# KiCad board Part 10-AMLDC-2044B.kicad_pcb (continued)
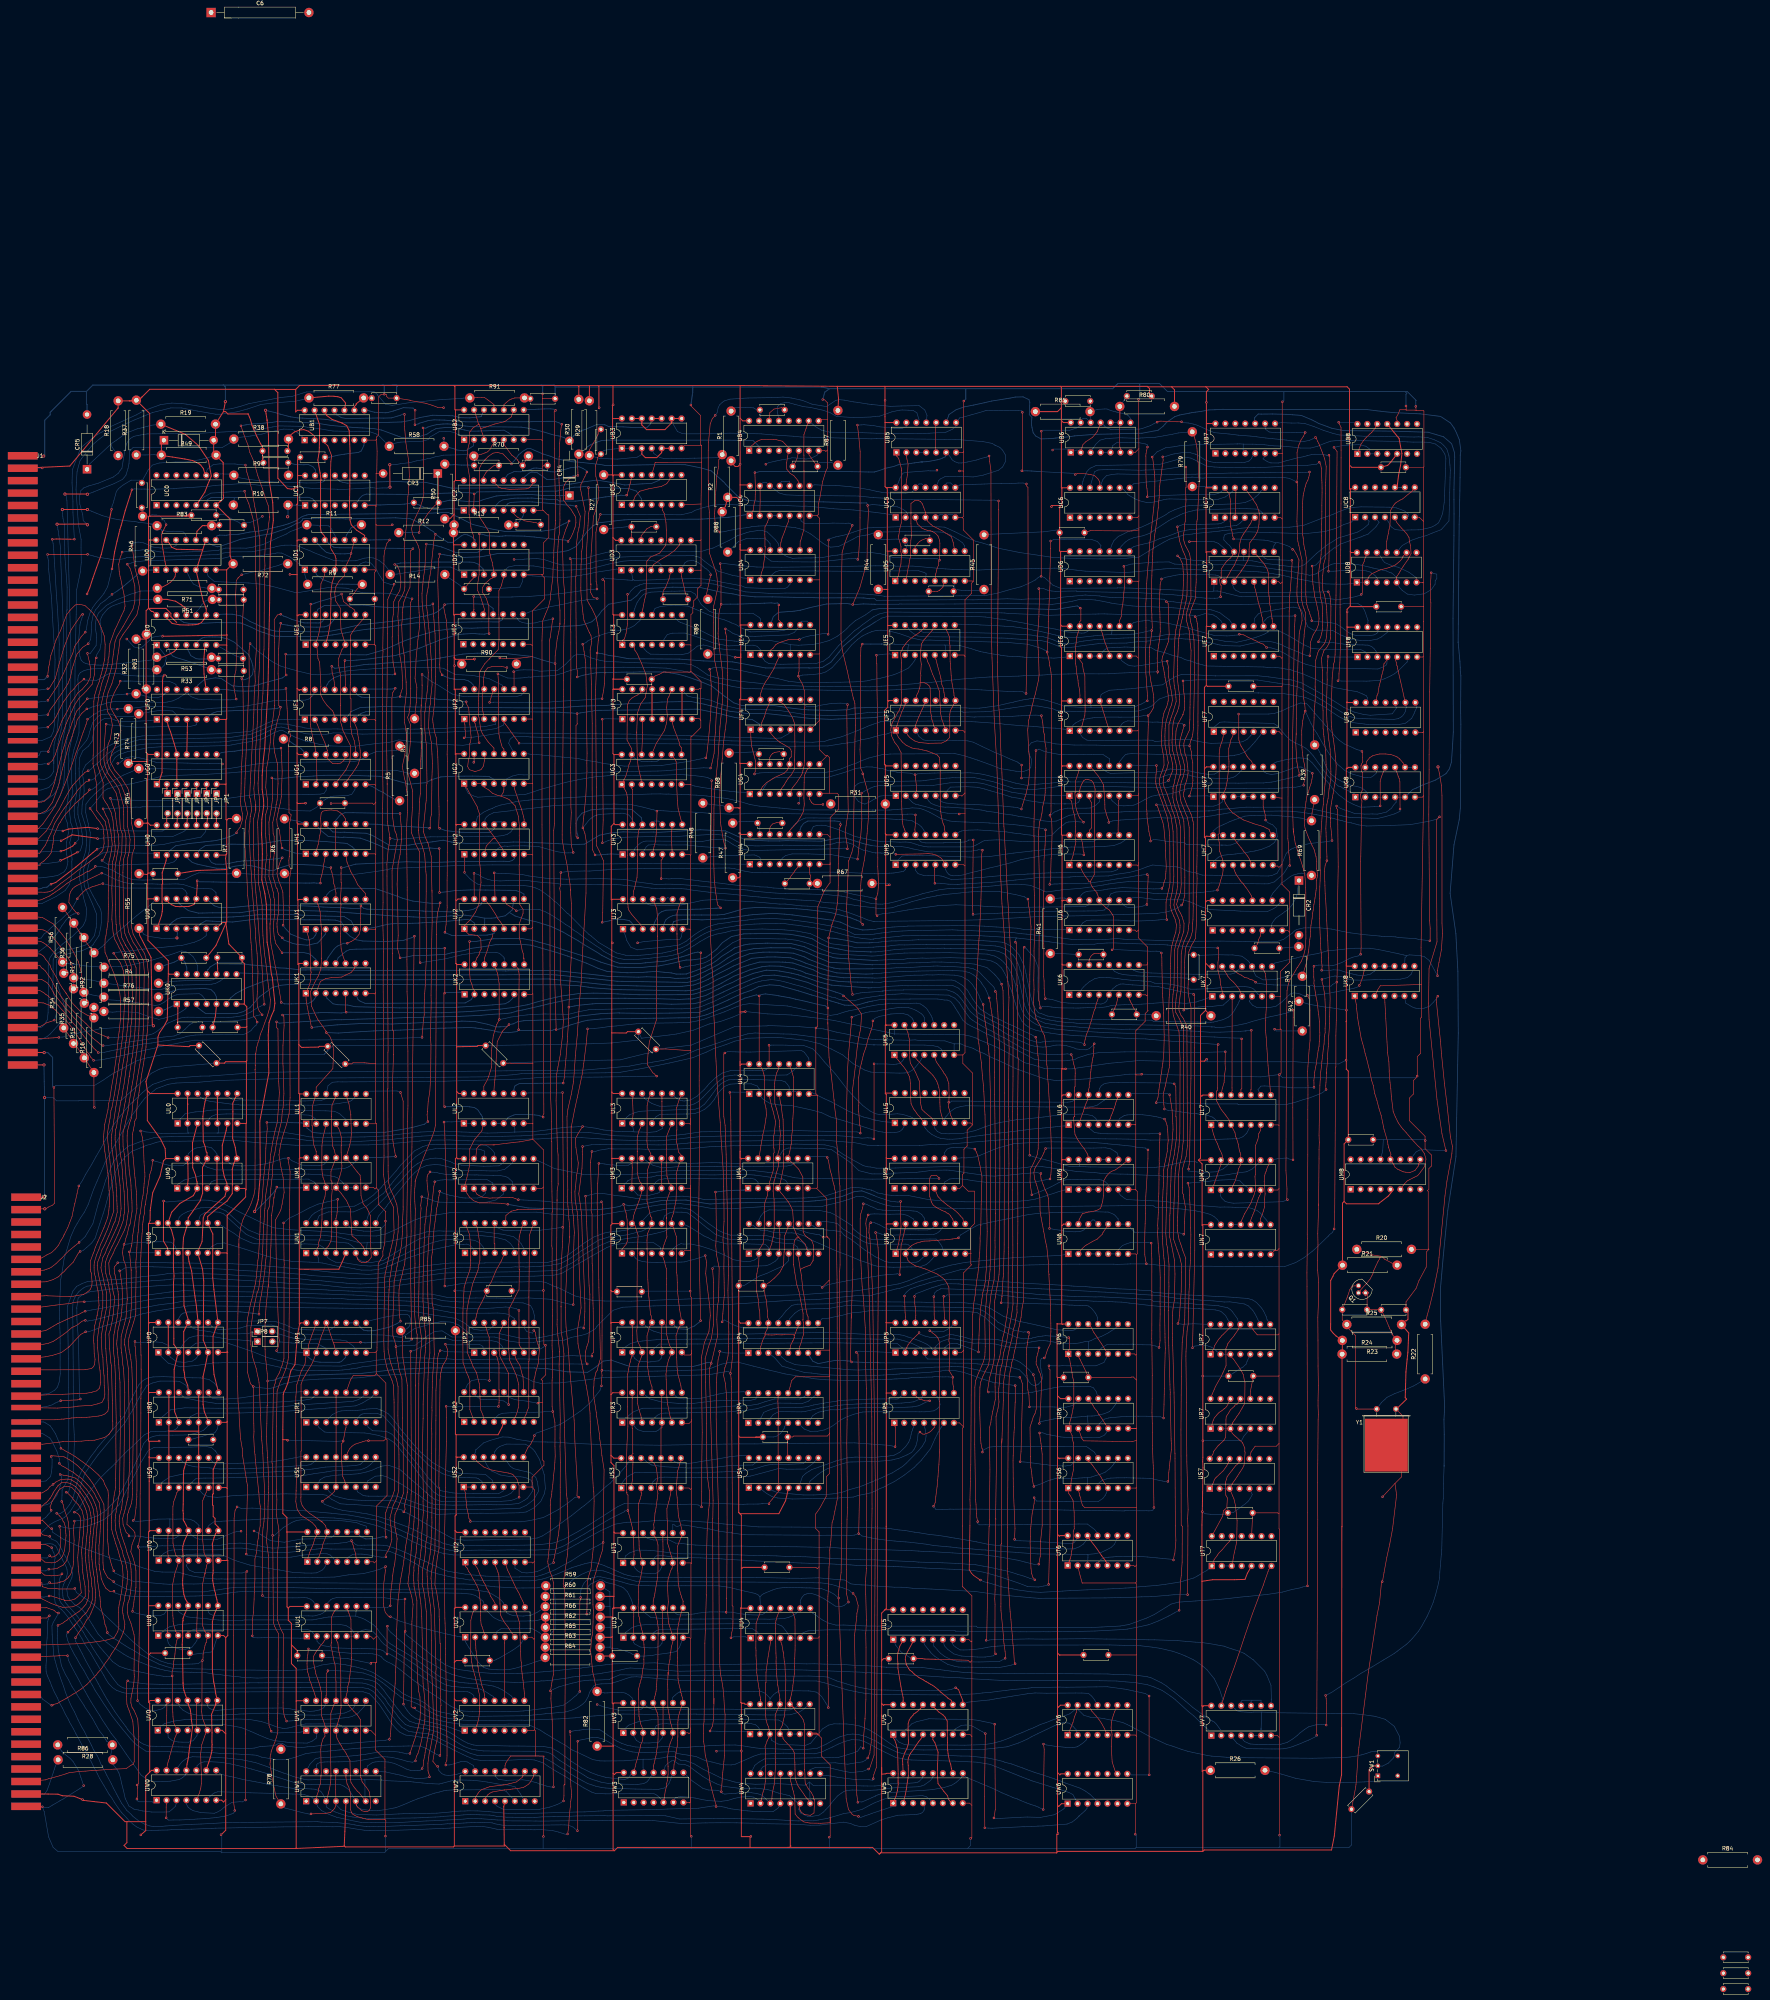
[diagram p0: board, top side]
## Routing (per net, layer and track width the routed paths; a pad name or vN(x,y) marks a point on that pad's centre or on a via; arc(x,y) is an arc through that point) (continued)
RB2: length 129.1
  Top w0.15: J2.25 81.17,164.48 82.33,164.72 83.53,165.19 ; 91.9,170.63 91.83,170.63 v1(91.75,170.55) 91.67,170.63 90.88,170.33 89.91,169.56 89.41,169.23 88.75,168.91 88.23,168.66 87.81,168.31 87.05,167.63 86.26,167.05 84.42,165.76 83.51,165.19
  Bottom w0.15: v1(91.75,170.55) 92.27,170.36 92.7,170.46 93.7,170.61 96.72,171.35 99.27,172.1 102.48,172.88 104.5,173.45 108.21,174.1 110.32,174.49 114.58,175.04 116.05,175.33 120.83,175.56 122.18,175.57 128.16,175.37 130.08,175.29 144.57,175.06 145.73,175.06 157.36,174.78 163.55,174.68 171.86,174.44 176.84,174.09 179.51,173.73 181.7,173.24 185.07,172.6 186.84,172.39 194.86,172.4 197.01,172.44 198.49,172.35 199.79,172.11 201.45,170.99 UP2.10
RB3: length 124.9
  Top w0.15: 87.65,163.83 87.37,163.62 85.6,162.33 83.38,161.64 81.6,161.26 J2.27 ; 87.56,163.76 89.15,165.5 89.91,166.28 90.11,166.5 90.63,167.02 v1(91.83,167.65) 91.9,167.69
  Bottom w0.15: v1(91.83,167.65) 92.62,167.65 96.27,169.01 99.5,170.01 101.18,170.71 106.37,172.24 109.59,172.92 112.48,173.37 114.95,173.76 117.89,174.24 119.3,174.31 135.46,174.11 139.07,173.97 146.46,173.8 157.39,173.68 164.06,173.59 165.57,173.62 168.48,173.48 175.75,172.8 178.39,172.36 180.86,171.9 186.33,171.07 188.45,170.01 189.7,169.05 191.06,168.24 192.84,168.05 194.77,168.14 195.94,169.05 UP2.12
RB4: length 274.1
  Top w0.15: J2.13 81.24,183.39 81.92,183.65 82.46,183.81 83.04,184.13 84.26,185.06 85.37,186.16 85.91,186.63 86.53,187.34 87.57,188.36 89,189.54 v1(90.17,190.49) 90.13,190.6 ; v1(289.75,218.39) 289.75,218.88 289.78,219.6 289.61,220.54 289.34,223.98 289.35,225.43 289.38,226.21 289.3,232.47 289.7,234.91 289.99,236.09 290.25,237.21 290.59,238.59 291.16,240.18 291.7,242.28 292.49,244.6 292.89,245.88 v1(292.98,247.06)
  Bottom w0.15: v1(289.75,218.39) 288.91,218.7 287.34,218.71 286.79,218.71 273.98,219.02 258.94,218.84 249.05,218.72 245.06,218.12 240.77,217.63 236.83,217.46 226.96,217.71 220.36,218.54 213.62,218.58 209.53,218.12 203.2,217.69 198.31,217.57 195.23,217.51 193.96,217.52 188.48,217.63 182.89,217.88 177.74,217.62 174.86,217.34 169.79,216.77 168.09,216.67 164.95,216.45 162.19,216.31 159.32,216.26 150.33,216.35 148.36,216.56 143.67,217.09 127.45,217.48 119.52,217.46 113.69,217.48 111.35,217.41 109.22,217.2 106.33,216.4 102.73,215.05 100.14,212.79 98.87,210.92 96.98,206.41 96.11,203.67 95.05,200.36 93.67,195.26 91.68,191.93 v1(90.17,190.49) ; UK5.12 303.44,246.85 303.24,247.28 303.01,247.66 302.99,247.76 301.95,248.57 300.69,248.92 300.14,248.95 297.58,248.81 296.09,248.46 294.63,248.2 293.47,247.71 v1(292.98,247.06)
RB5: length 266
  Top w0.15: 90.47,188.25 90.44,188.21 v1(90.44,188.17) 90.4,188.17 89.97,187.74 88.65,185.43 86.8,183.61 86.46,183.16 86.04,182.79 85.56,182.4 84.95,181.75 83.5,180.97 81.73,180.42 77.11,180.29 J2.15 ; v1(293.23,216.89) 293.26,216.93 v1(293.26,236.08)
  Bottom w0.15: v1(90.44,188.17) 91.2,188.42 92.09,189.19 93.39,190.34 94.26,191.59 95.47,195.34 96.28,197.75 96.86,199.59 97.88,203.43 98.3,204.57 98.63,205.98 99.4,208.39 99.86,209.39 100.51,210.55 102,212.37 103.69,213.75 106.45,214.86 107.32,215.26 108.38,215.51 109.88,216.03 110.92,216.24 111.81,216.32 113.18,216.33 114.81,216.3 122.33,216.4 123.34,216.44 124.11,216.46 129.85,216.53 135.72,215.93 141.89,215.57 142.3,215.49 145.5,215.29 164.06,215.38 166.43,215.49 169.06,215.62 173.03,216 177.18,216.35 178.49,216.56 184.68,216.64 189.49,216.43 193.87,216.38 197.71,216.46 205.97,216.91 207.44,216.89 210.52,217.09 214.3,217.34 218.64,217.22 224.95,216.81 227.29,216.64 236.16,216.41 237.13,216.41 238.1,216.43 239.48,216.53 241.4,216.68 245.93,217.21 248.78,217.47 254.96,217.65 264.53,217.81 276.58,217.82 283.98,217.72 286.41,217.57 290.17,217.1 291.63,217.2 291.86,217.17 292.52,217.15 v1(293.23,216.89) ; UK5.2 300.87,237.28 300.53,236.82 299.8,236.16 298.97,236 298.15,235.92 296.47,236.04 294.07,236.04 ; 294.07,236.04 294.05,236.06 ; 294.07,236.04 v1(293.26,236.08)
RB6: length 134.3
  Top w0.15: 91.67,175.3 v1(91.48,175.3) 91.21,175.3 89.67,175.25 88.55,175.05 88,174.88 86.83,174.77 85.48,174.62 84.22,174.46 81.68,174.12 J2.19
  Bottom w0.15: v1(91.48,175.3) 93.17,175.46 96.34,175.6 101.02,176 104.05,176.55 111.2,177.51 113.17,177.79 116.61,178.11 117.95,178.11 123.06,178.01 124.74,177.94 134.32,177.82 135.42,177.8 139.62,177.7 141.06,177.67 152.21,177.3 153.51,177.28 157.96,177.09 160.34,177.03 163.65,176.81 165.81,176.71 168.79,176.57 170.94,176.5 174.25,176.37 175.43,176.34 176.11,176.35 181.08,176.13 182.9,175.61 185.2,175.42 186.57,175.32 187.41,175.26 199.86,175.14 203.58,175.03 205.49,174.36 205.99,173.47 206.2,172.93 206.5,171.74 UP2.8
RB7: length 139.2
  Top w0.15: 202.55,173.04 v1(202.53,173.09) 202.58,164.47 202.74,164.03 203.02,163.63 203.26,163.21 203.7,162.42 UP2.6 ; 84.68,169.73 86.62,170.62 89.15,171.75 90.04,172.06 90.98,172.59 v1(91.71,172.91) 91.71,172.95 ; J2.23 81.65,167.99 82.75,168.6 83.64,169.12 84.82,169.81
  Bottom w0.15: v1(91.71,172.91) 93.41,173.22 95,173.5 97.2,173.9 101.51,174.65 105.1,175.28 108.47,175.92 111.82,176.27 113.11,176.42 118.31,176.75 119.57,176.8 120.78,176.77 122.24,176.75 126.08,176.77 127.26,176.78 129.47,176.74 131.79,176.68 139.05,176.54 140.52,176.49 145.38,176.38 147.03,176.39 154.26,176.14 155.17,176.14 157.26,176.12 158.83,175.96 170.4,175.65 173.83,175.49 178.53,175.24 182.75,174.21 187.46,173.72 188.95,173.6 194.09,173.63 195.91,173.71 199.16,173.98 199.93,173.9 200.59,173.83 201.9,173.53 202.21,173.3 v1(202.53,173.09)
RBP: length 191.9
  Top w0.15: v1(99.01,106.58) 98.8,107.06 98.42,108.18 98.08,109.39 97.74,110.77 97.55,113.46 97.39,114.67 97.39,117.04 97.39,118.65 97.48,120 97.55,121.14 97.59,125.2 97.65,125.88 97.52,127.15 96.67,128.73 96.38,129.59 95.19,131.02 93.26,132.76 92.43,133.4 ; 92.52,133.33 90.51,134.81 89.15,135.77 87.92,136.53 86.85,137.1 v1(85.51,137.89)
  Bottom w0.15: UU2.4 196.91,91.13 197.97,91.82 199.76,91.79 200.36,91.83 203.24,91.88 204.43,91.83 205.61,91.87 206.09,91.75 206.4,91.59 206.94,91.28 207.67,90.86 R65.1 210.45,90.17 211.77,91.86 211.8,98.44 211.69,100.55 211.33,101.66 R59.1 207.23,102.25 203.59,102.22 202.01,102.2 196.25,102.53 194.74,102.72 192.87,102.95 191.79,103.07 188.46,103.25 147.06,103.55 126.2,103.46 124.75,103.38 119.5,103.23 117.06,103.26 113.14,103.17 111.77,103.24 107.39,103.63 105.41,103.83 104.02,103.91 102.1,104.7 100.56,105.43 99.26,106.07 v1(99.01,106.58) ; v1(85.51,137.89) 85.18,139.09 84.97,139.6 84.13,141.58 83.32,142.85 82.73,143.66 81.6,144.36 81.14,144.61 J2.38
RWND T: length 345.3
  Top w0.15: v1(215.6,65.55) 215.6,64.6 215.69,64.51 215.69,53.41 215.73,53.38 215.81,51.48 216.02,49.53 215.93,48.85 215.76,47.61 215.65,46.28 215.41,44.15 215.23,41.14 v1(214.98,39.38) ; J2.69 80.08,94.07 80.56,94.55 81.89,94.55 82.47,95.12 v1(82.58,95.12) 82.58,95.23 82.51,95.16
  Bottom w0.15: 294.36,62.68 295.81,61.89 297.76,60.94 299.18,60.25 300.33,59.99 300.58,59.93 301.43,59.79 311.43,59.46 315.48,59.29 317.55,59.29 320.55,58.99 322.25,58.79 324,58.45 325.32,58.14 326.27,57.89 326.57,57.73 328.42,57.26 329.79,56.76 331.24,56.25 332.33,55.81 334.37,55.08 336.24,54.51 338.1,53.89 339.33,53.47 341.2,52.8 342.18,52.39 345.93,51.08 347.31,50.32 348.2,49.67 348.45,49.51 349.77,48.19 ; v1(215.6,65.55) 216.21,65.65 217.09,65.84 218.08,65.9 219.08,66.07 220.62,66.2 223.23,65.99 224.11,65.45 225.26,64.61 226.23,63.99 227.45,63.17 228.68,62.58 230.32,61.99 231.07,61.88 232.3,61.61 235.53,61.43 239,61.67 240.57,61.78 243.48,61.38 245.9,61.55 247.74,61.72 249.3,61.75 251.11,61.94 252.77,62 254.86,62.1 256.25,62.1 257.77,62.11 259.2,61.99 260.92,61.7 262.57,61.43 264.15,61.24 266.14,61.24 267.34,61.16 270.64,61.01 276.27,61.02 278.73,61.27 281.01,62.32 283.08,63.52 284.56,64.21 286.4,64.76 287.76,64.91 289.38,64.74 290.19,64.57 291.27,64.21 293.51,63.21 294.43,62.64 ; 349.77,48.19 UW6.4 ; 349.77,48.19 349.81,48.15 ; v1(82.58,95.12) 82.24,94.1 82.13,93.58 81.99,89.45 81.85,87.85 81.79,83.65 81.7,82.5 81.69,81.9 81.74,80.87 82,79.95 82.15,79.57 82.7,78.37 83.16,77.17 83.83,75.62 84.54,74.31 85.28,72.64 85.9,71.55 86.68,69.9 87.37,68.73 87.69,68 88.66,66.32 89.37,64.91 89.96,63.9 90.55,62.78 91.12,61.62 91.23,61.52 91.77,60.61 92.31,59.49 93.15,58.05 93.71,56.88 94.8,54.81 95.39,53.61 96.56,51.64 97.08,50.79 97.85,49.45 98.43,48.72 99.24,47.35 100.45,45.59 101.08,44.78 102.34,43.47 102.86,42.87 103.94,41.87 104.82,41.22 106.55,40.39 108.59,40.22 110.42,40.35 112.83,40.4 113.68,40.48 116.32,40.58 118.92,40.62 124.08,40.82 124.96,40.87 130.84,40.98 132.75,41.03 140.2,41.15 142.4,41.2 148.77,41.24 148.79,41.26 151.23,41.26 151.92,41.29 153.35,41.25 154.92,41.23 156.82,41.25 158.61,41.04 160.24,40.77 162.99,40.35 164.48,40.29 171.62,40.35 175.71,40.49 183.14,40.82 184.87,40.88 186.16,41.02 187.13,41.07 191.61,41.32 193.3,41.3 194.71,41.09 196.93,40.6 197.59,40.51 204.92,40.47 205.62,40.48 206.48,40.46 208.33,40.5 211.14,40.25 212.72,39.86 213.98,39.44 214.8,39.21 v1(214.98,39.38)
RWNDG: length 263.9
  Top w0.15: 86.27,192.31 87.29,194.31 87.77,195.59 88.35,197.11 88.66,198.64 89.05,200.42 ; 86.32,192.44 86.12,191.92 85.56,191.03 84.89,189.77 84.12,188.82 83.12,187.88 81.9,187.28 80.61,186.51 J2.11 ; 89.05,200.3 89.63,202.89 89.9,204.22 v1(90.09,204.9) 90.09,205.01
  Bottom w0.15: 293.08,240.93 291.2,241 289.27,241.18 285.53,241.89 283.31,242.18 282.36,242.33 275.33,243.29 272.16,243.67 270.09,243.71 265.14,243.85 262.87,243.97 260.99,243.74 256.32,242.44 252.5,241.1 247.98,239.64 244.7,238.32 239.49,236.98 236.72,236.52 234.9,236.17 233.9,236.1 230.77,235.5 219.15,234.48 207.11,234.38 199.47,234.3 186.38,234.15 176,234.11 163.77,234.09 148.15,234.09 134.92,233.84 123.51,232.97 121.16,232.95 114.95,232.46 112.78,232.14 108.97,230.84 107.42,229.66 106.33,228.71 102.83,225.38 101.8,224.16 99.06,220.63 97.46,217.79 95.72,214.51 94.43,212.31 93.35,210.36 91.83,207.87 90.99,206.25 v1(90.09,204.9) ; 293.08,240.93 293.47,240.91 ; 293.08,240.93 306.11,240.87 308.36,240.71 309.59,240.43 310.46,239.82 310.72,239.38 UK5.6
S0p1: length 55.3
  Bottom w0.15: US0.1 111.43,129.3 113.27,130.57 116.82,131.37 118.29,131.38 129.01,131.49 130.75,131.51 136.94,131.7 140.03,131.88 145.74,132.13 149.89,132.6 153.05,133.09 158.69,133.35 160.74,133.49 161.96,133.74 162.25,134.02 ; 162.25,134.02 162.26,134.04 ; 162.25,134.02 163.06,134.69 US1.10
S0p4: length 50.6
  Bottom w0.15: US1.9 165.64,134.7 165.11,134.27 164.56,133.7 163.65,133.03 162.04,132.38 158.71,132.22 157.05,132.21 155.04,132.14 153.43,131.87 150.15,131.39 148.06,131.03 146.11,130.85 144.14,130.78 140.61,130.7 138.63,130.7 134.55,130.44 131.41,130.43 124.38,130.29 122.44,130.28 120.06,130.23 118.17,128.45 US0.4
S0p9: length 25.7
  Bottom w0.15: US1.16 146.88,135.78 145.82,135.58 142.43,134.93 139.26,134.43 137.34,134.25 130.61,134.05 128.35,133.96 124.81,133.92 US0.9
S0p12: length 37
  Bottom w0.15: US0.12 116.93,134.17 118.04,133.57 119.68,133.17 123.44,132.9 124.77,132.73 126.06,132.61 128.06,132.64 128.95,132.73 134.65,132.76 138.08,132.93 139.24,133.05 143.65,133.22 145.11,133.35 148.23,133.54 149.34,133.71 149.62,133.98 150.42,134.56 US1.15
S1p2: length 191.2
  Top w0.15: 298.62,138.32 298.59,138.3 v1(298.63,138.3) 298.63,138.34 298.79,138.5 298.79,143.3 298.43,143.66 UR5.1 ; v1(202.57,125.39) 202.57,128.37 202.04,129.97 200.95,131.24 199.85,131.56 196.36,132.17 195.06,132.48 193.52,133.12 192.02,134.34 US2.13
  Bottom w0.15: 191.53,137.5 193.52,139.27 195.17,139.91 196.79,140.37 197.4,140.52 198.26,140.79 199.98,140.73 202.07,140.17 206.04,139.55 209.39,139.51 209.81,139.48 212.21,139.46 215.84,139.15 217.08,139.19 217.42,139.11 221.67,138.93 222.47,138.9 238.32,138.68 255.38,138.97 258.84,139.01 262.76,139.01 288.23,139.28 297.28,138.63 297.94,138.47 v1(298.63,138.3) ; 191.53,137.5 191.39,136.91 US2.13 ; 191.53,137.5 191.59,137.56 ; 174.59,130.3 172.51,132.14 171.9,132.63 169.25,133.54 167.63,133.36 166.21,132.84 164.99,132.29 163.66,131.86 161.52,131.38 159.63,131.24 156.5,131.07 154.4,130.83 152.8,130.52 151.73,129.86 US1.2 ; 174.59,130.3 174.68,130.2 ; 174.59,130.3 176.92,128.29 179.85,125.66 181,124.9 182.73,124.3 187.12,124.34 188.39,124.37 189.84,124.33 197.92,124.34 200.41,124.53 201.38,124.85 v1(202.57,125.39)
S1p3: length 84
  Bottom w0.15: US2.11 196.31,136.95 196.94,137.85 197.67,138.38 199.31,138.96 204.19,138.94 205.34,138.28 206.09,137.68 206.6,137.09 207.79,135.07 208.42,132.98 208.99,131.16 209.3,127.68 209,126.23 208.11,124.31 206.49,122.75 204.38,121.62 202.58,121.42 195.22,121.28 192.81,121.31 187.17,121.19 185.05,121.14 181.48,121.01 177.85,122.13 173.57,123.6 170.39,124.49 165.6,124.59 164.57,124.52 163.31,124.58 162.31,124.61 161.53,124.64 159.11,124.79 157.91,125.05 156.74,125.35 155.31,125.76 154.57,126.42 154.1,126.77 US1.3
S1p6: length 64.1
  Bottom w0.15: US1.6 161.3,126.77 162.71,125.86 163.31,125.73 164.1,125.67 ; 164.12,125.65 164.1,125.67 ; 164.1,125.67 166.29,125.67 166.73,125.65 168.25,125.68 171.28,125.7 175.94,124.04 179.18,122.89 181.93,122.3 183.09,122.29 184.4,122.27 185.73,122.28 187.69,122.29 189.85,122.29 195.41,122.32 202.83,122.59 204.44,123.34 206.26,124.7 207.6,127.04 207.21,129.46 206.84,130.47 206.11,131.14 205.4,131.65 204.5,131.89 202.94,132.24 201.14,132.7 200.32,133.3 199.49,134.43 US2.10
S1p7: length 64.9
  Bottom w0.15: US2.12 193.88,134.62 194.26,133.71 194.92,132.77 195.54,132.1 197.76,131.08 200.11,130.69 201.15,130.65 202.97,130.61 203.64,130.52 204.58,130.28 205.71,129.68 205.97,129.03 206.18,127.9 206.08,127.4 205.96,126.9 205.25,125.85 204.69,125.12 203.84,124.56 202.46,123.8 199.52,123.48 196.88,123.46 195.56,123.47 194.29,123.5 189.36,123.42 186.09,123.38 185.71,123.36 181.5,123.5 180.8,123.56 179.83,123.91 179.19,124.25 178.2,124.95 176.8,126.03 175.37,126.86 173.15,128.29 172.98,128.46 172.03,128.98 170.62,129.72 168.5,130.66 167.71,130.9 165.87,130.77 163.94,129.6 US1.7
S3p1: length 50.9
  Bottom w0.15: US4.10 275.22,133.96 271.41,133.81 267.38,133.81 265.63,133.53 262.09,132.47 260.01,132.17 258.76,132.04 255.35,131.89 254.35,131.86 248.4,131.63 233.34,131.69 232.01,131.65 230.48,130.79 229.82,130.26 228.66,128.75 US3.1
S3p4: length 45.6
  Bottom w0.15: US4.9 278.3,134.77 277.69,134.03 275.69,132.59 270.94,132.55 268.85,132.72 261.67,130.78 257.23,130.48 247.61,130.36 239.76,130.53 238.46,130.41 237.55,130.08 236.77,129.31 US3.4
S3p9: length 20.8
  Bottom w0.15: US3.9 242.43,134.39 243.11,134.09 243.91,133.89 246.63,134.12 247.59,134.25 249.38,134.58 253.18,135.15 256.07,135.67 256.35,135.73 256.76,135.79 259.3,136.03 260.57,136.03 US4.16
S3p12: length 31.6
  Bottom w0.15: US4.15 263.32,134.45 262.29,133.63 258.38,133.54 256.48,133.49 252.95,133.08 250.06,132.91 245.73,132.86 239.68,133.18 238.08,133.39 236.48,133.62 235.43,134.2 234.5,135.05 US3.12
S4p2: length 56.3
  Bottom w0.15: US4.2 265.01,126.97 265.87,126.31 267.21,125.55 268.66,125.19 272.48,124.94 283.97,125.18 285.24,125.31 287.98,125.43 289.19,125.84 292.8,126.59 293.08,126.86 293.53,126.95 293.8,127.17 294.98,127.69 295.69,127.95 296.93,128.64 298.46,129.4 299.72,130.21 301.07,131.1 303.58,133.06 304.21,133.72 305.3,134.78 305.67,135.26 306.19,135.9 306.58,136.39 306.86,136.74 307.7,137.79 308.85,140.37 309.41,141.5 309.61,141.94 309.98,142.51 310.4,143.23 UR5.6
S4p3: length 49.5
  Bottom w0.15: UR5.4 306.21,143.22 306.42,142.36 306.57,141.05 306.37,139.77 305.6,138.43 304.73,137.37 301.53,134.12 300.55,133.26 299.43,132.56 297.88,131.6 296.63,131.05 295.36,130.44 293.65,129.7 292.38,129.18 291.53,128.83 290.44,128.37 289.01,127.9 287.08,127.37 284.96,126.61 282.77,126.25 281.11,126.11 277.79,125.97 275.27,125.97 268.53,126.57 267.65,126.99 267.23,127.06 US4.3
S4p6: length 37.9
  Bottom w0.15: UR5.3 303.41,143.38 303.13,142.82 303.04,142.45 302.9,142.08 302.72,141.4 302.54,140.5 302.13,139.46 301.35,138.35 299.85,136.89 298.37,136.12 297.48,135.98 296.51,135.84 295.25,135.77 294.24,135.65 293.7,135.58 292.91,135.58 288.41,135.64 287.61,135.56 286.23,135.4 285.46,135.17 283.48,134.65 281.84,134.05 279.09,133.07 277.35,132.46 276.65,132.01 275.86,131.53 274.99,130.73 US4.6
S4p7: length 40.9
  Top w0.15: UR5.5 308.65,143.2 307.89,142.37 307.49,142.05 307.04,141.81 306.07,141.47 305.64,141.53 305.05,142 v1(304.99,142.05) 305.01,142
  Bottom w0.15: v1(304.99,142.05) 304.52,141.64 304.36,140.06 303.97,138.56 303.45,137.56 302.84,136.84 301.7,136.22 300.69,135.77 299.53,135.3 298.41,135.07 297.85,134.9 296.49,134.74 293.33,134.5 287.64,134.4 286.63,134.36 285.56,134.05 284.69,133.81 281.33,132.67 280.06,132 278.95,131.23 276.9,129.51 US4.7
S6p12: length 159.5
  Top w0.15: 334.3,104.21 334.3,104.25 v1(334.35,104.3) 334.3,104.35 333.83,104.95 333.51,105.97 333.35,107.31 333.14,113.88 333.23,115.44 333.29,117.48 333.33,118 333.65,121.13 333.82,121.97 334.16,123.86 334.22,124.98 v1(334.16,125.28) ; US6.12 347.96,134.64 348.53,134.23 348.8,133.88 349.13,133.53 349.33,133.2 350.02,132.23 351.24,130.55 351.59,129.87 351.92,129.39 352.42,128.56 US6.5
  Bottom w0.15: v1(334.35,104.3) 333.08,104.68 332.4,104.93 331.77,105.17 329.92,105.71 328.57,106.15 326.77,106.66 325.88,106.81 324.26,107.2 322.48,107.55 321.14,107.79 319.26,108.15 314.84,108.46 314.12,108.5 310.72,108.65 309.51,108.7 304.54,108.83 303.42,108.95 297.58,109.18 295.97,109.26 293.38,109.4 289.89,109.42 288.21,109.52 286.69,109.56 282.4,109.77 279.41,109.98 275.75,110.18 274.51,110.2 273.04,110.25 270.63,110.29 268.25,110.42 264.7,110.49 262.54,110.51 258.41,110.69 243,110.97 236.16,111.84 232.75,111.88 230.82,111.18 229.84,110.46 UT3.1 ; v1(334.16,125.28) 334.78,124.42 342.32,124.34 350.51,124.27 351.71,125.08 352.31,125.84 352.62,126.47 US6.5
S6p13: length 100.5
  Top w0.15: 330.64,155.91 331.13,154.47 331.2,152.63 330.82,137.11 v1(330.58,134.45)
  Bottom w0.15: v1(330.58,134.45) 331.58,134.4 332.38,134.31 333.38,134.17 334.68,134.04 336.61,133.73 337.39,133.69 338.88,133.47 341.47,133.4 342.16,133.36 342.74,133.48 343.56,133.57 344.39,134.4 US6.13 ; 330.42,156.09 v1(330.51,156.01) 328.47,156.22 327.21,156.39 325.24,156.71 321.72,157.41 319.64,157.91 315.98,158.66 314.63,158.74 313.16,158.72 313.09,158.74 309.84,158.63 308.83,158.63 307.89,158.53 304.36,158.37 303.17,158.32 298.58,158.16 297.9,158.13 297.44,158.07 291.05,157.97 ; 291.05,157.97 289.27,157.87 286.4,157.97 273.17,159.24 270.88,160.15 269.72,161.16 UP4.4 ; 291.05,157.97 291.09,157.97
S7p11: length 22.1
  Top w0.15: US7.11 386.49,134.18 385.65,133.46 384.78,132.32 384.13,131.51 383.48,130.65 383.3,129.98 383.01,129.06 383.04,127.2 383.13,125.93 383.54,125.2 383.4,122.76 382.55,121.94 382.31,120.54 UT7.14
S7p12: length 9.3
  Top w0.15: US7.12 383.85,134.24 383.32,133.34 382.51,132.18 381.67,131.41 380.81,130.57 380.46,130.27 380.2,129.84 379.98,129.14 US7.1
SPARE: length 54.8
  Top w0.15: 82.62,265.77 83.97,264.26 84.82,263.26 R56.1 ; 82.83,265.61 81.86,266.37 81.78,266.49 80.96,267.04 80.28,267.37 75.83,267.62 J1.79
  Bottom w0.15: UK0.12 120.44,260 120.38,261.13 119.9,262.46 119.26,263.46 118.53,264.08 117.39,264.76 116.25,264.9 114.48,264.29 113.5,263.94 112.46,263.68 108.73,262.54 105.58,261.79 103.31,261.3 101.77,261.11 101.21,260.98 100.29,260.91 98.84,260.91 R75.1 91.64,261.1 90.04,261.36 89.17,261.42 88.1,261.53 R56.1 86.23,261.75 R34.2